# KiCad board msf-owl-clock.kicad_pcb (continued)
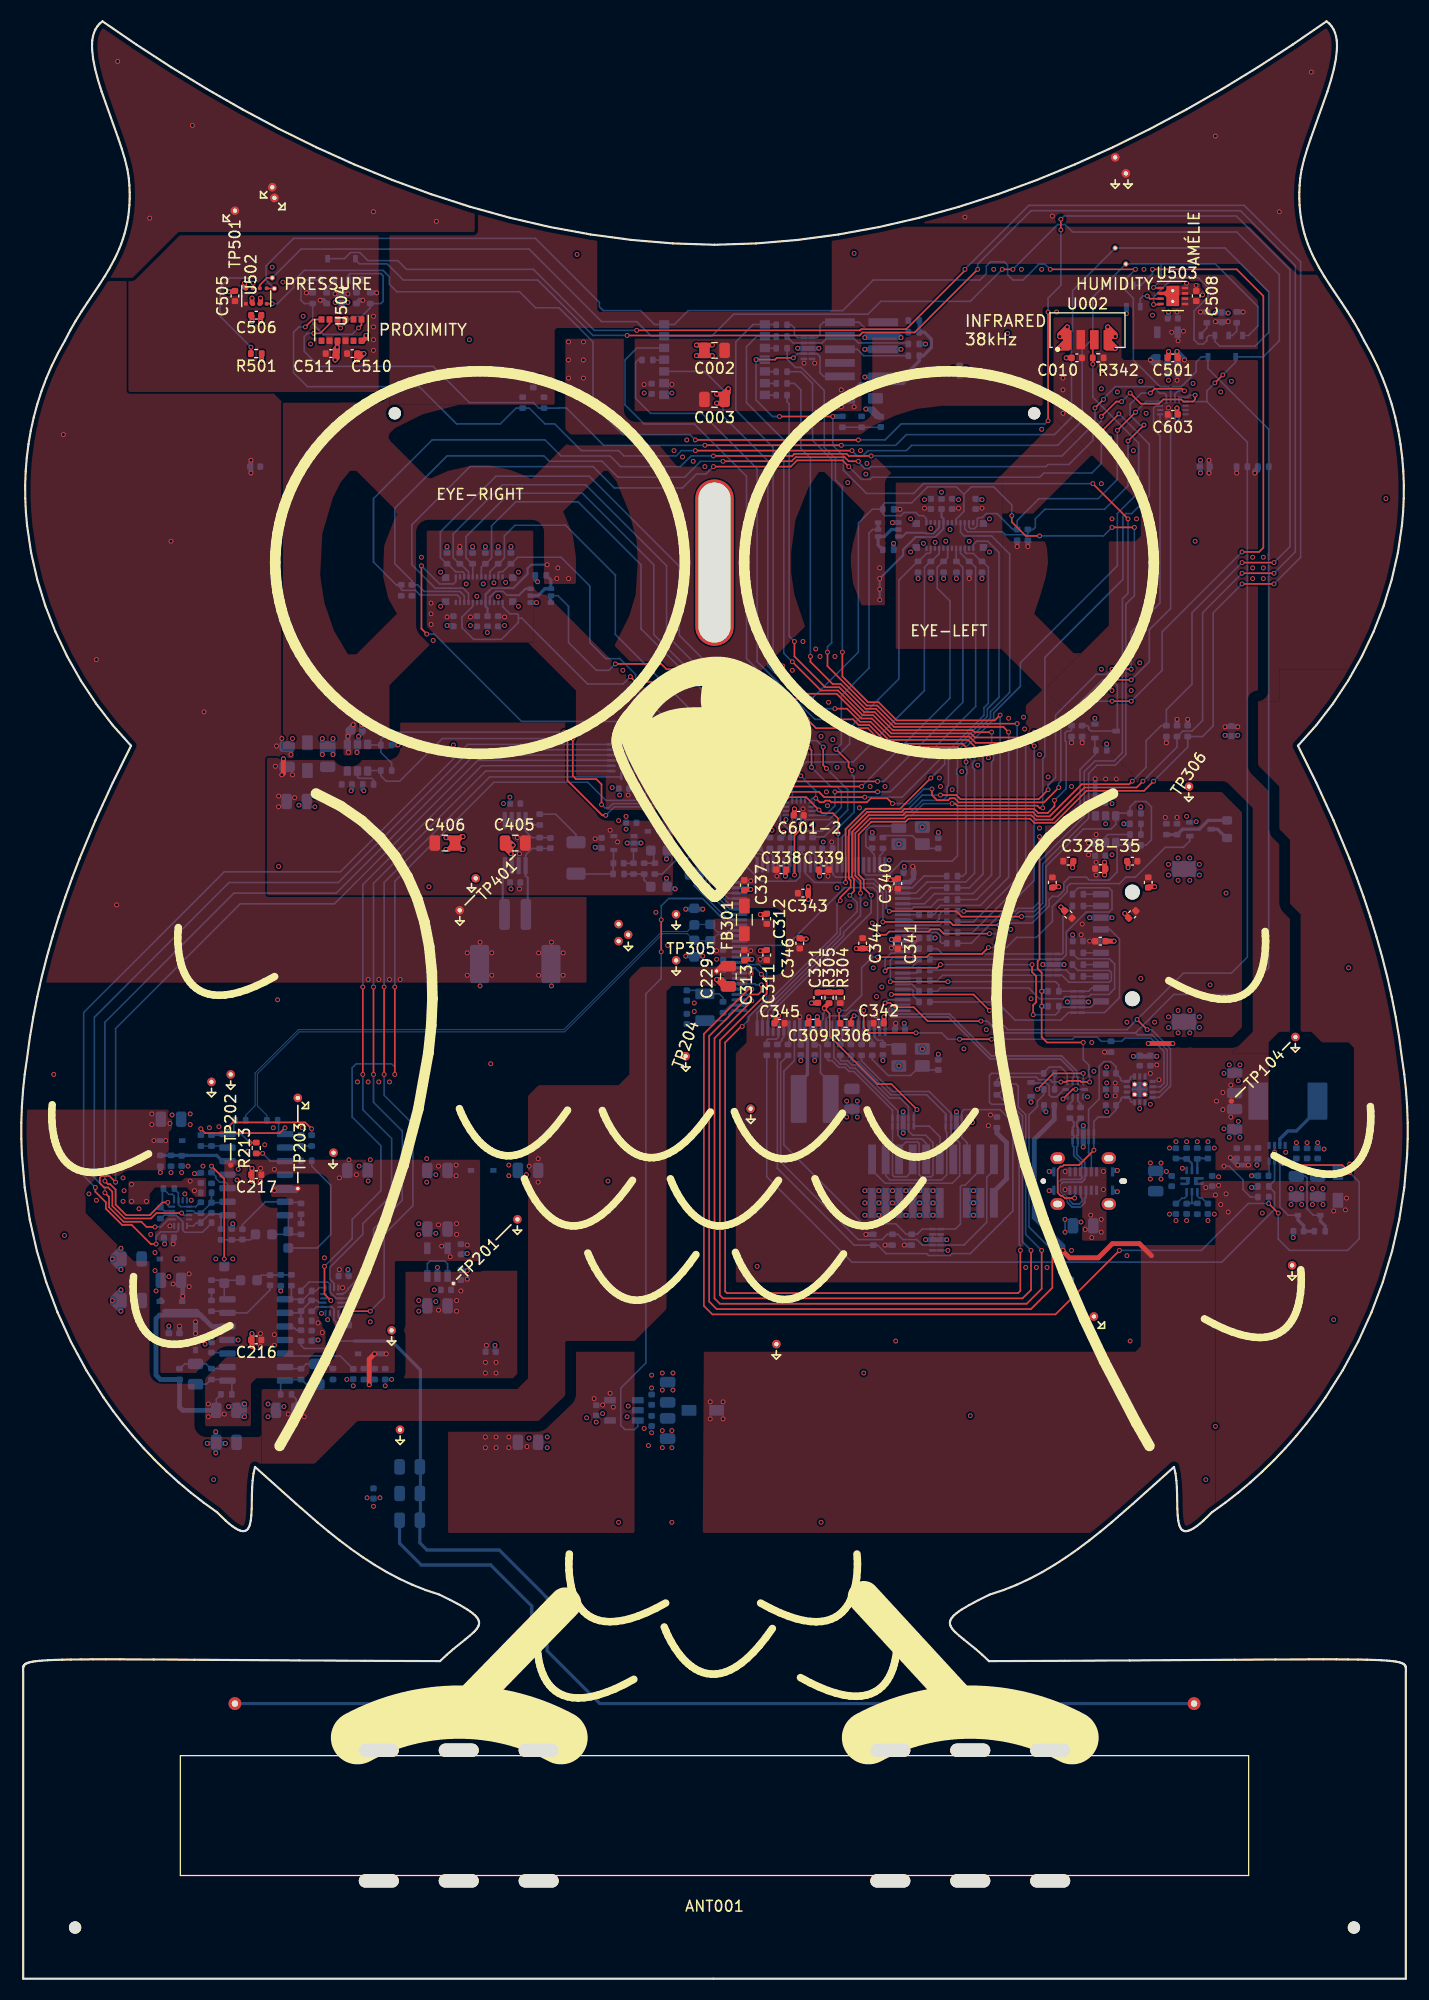
[diagram p0: board, top side]
## Library data of the parts (continued)
U203 U204 = -: Description: Quad Low Voltage Single Supply 30MHz 40V/μs Rail-To-Rail Operational Amplifier; Manufacturer: Microchip; ManufacturerPartNumber: MCP6499T-E-SL; Package: SOIC
U205 = -: Description: 8-bit Serial In, Serial/Parallel Out Shift Register with Master Clear, Storage Register and 3-State Outputs; Manufacturer: Nexperia; Package: DHVQFN16
U206 U207 = -: Description: Quad Low Capacitance 3GHz Analogue SPST (1:1) Switch with 1.8V Compatible Logic Inputs; Manufacturer: Texas Instruments; ManufacturerPartNumber: TMUX1511RSVR; Package: UQFN16
U301 = -: Description: 100-Pin 32-Bit ARM Cortex M4F Microcontroller, 120MHz with 1MiB Flash, 256KiB SRAM, FPU, USB, SPI, QSPI, SDHC / MMC / e.MMC, I^{2}C, I^{2}S, U(S)ART, CAN, 2x 12-bit 1Msps Differential ADC, 2x 12-bit 1Msps DAC, True RNG, Ethernet MAC, Comparators, CCP, PWM, RTC, PDEC, FREQM, PTC, PCC, DMA and CCL; Manufacturer: Microchip; Package: TQFP100
U302 U401 = -: Description: 3-5.5V, 125mA-2.7A Adjustable Current-Limiting Power Switch with Active-High Enable, Over-Voltage Protection, Reverse-Current Blocking (Fault Latch-Off for 'A' Parts); Manufacturer: Diodes Incorporated; ManufacturerPartNumber: AP22653AW6-7; Package: SOT26
U402 = -: Description: Low Voltage Single Supply 10MHz 20V/μs Rail-To-Rail Operational Amplifier; Manufacturer: Microchip; ManufacturerPartNumber: MCP6486UT-E-LT; Package: SOT353
U403 = -: Description: 1.1W, 2.7V-5.5V Audio Power Amplifier with Active Low Shutdown and Thermal Protection; Manufacturer: Lumissil Microsystems; ManufacturerPartNumber: IS31AP4991A-SLS2-TR; Package: MSOP8
U502 = -: Description: Low-Power Barometric Pressure Sensor, 300-1200hPa, with I^{2}C and SPI; Manufacturer: Infineon; Package: PG-VLGA-8-1
U503 = -: Description: Low-Power Humidity Sensor with I^{2}C; Manufacturer: Texas Instruments; ManufacturerPartNumber: HDC3022DEJR; Package: WSON8
U504 = -: Description: Low-Power Proximity Sensing Module with I^{2}C (Class 1 Laser); Manufacturer: ST Microelectronics; ManufacturerPartNumber: VL6180V1NR1-1; Package: LGA12
U601-U603 = -: Description: Quad Low Capacitance 2GHz Analogue SPDT (1:2 or 2:1) Switch with 1.8V Compatible Logic Inputs; Manufacturer: Texas Instruments; ManufacturerPartNumber: TMUX1574RSVR; Package: UQFN16
XTAL301 = -: Description: 4-Pin Quartz Crystal, Ceramic or MEMS Resonator across Pins 1 and 3; Ageing: ±3ppm first year, ±2ppm thereafter; Cut: AT; Label: 24MHz±10ppm @ 12pF (AT); LoadCapacitance: 12pF; Manufacturer: Raltron; Manufacturer2: WTL; Manufacturer2PartNumber: WTL3M60410VH; ManufacturerPartNumber: RH100-24.000-12-1010-EXT-TR; Package: 3225; Tolerance: ±10ppm
XTAL302 = -: Description: 4-Pin Quartz Crystal, Ceramic or MEMS Resonator across Pins 1 and 3; Ageing: ±3ppm first year, ±2ppm thereafter; Cut: AT; Label: DNP; LoadCapacitance: ??pF; Package: 3225; Tolerance: ±10ppm
XTAL303 = -: Description: 2-Pin Quartz Crystal, Ceramic or MEMS Resonator; Ageing: ±3ppm first year, ±2ppm thereafter; Cut: Tuning Fork; Label: 32.768kHz±20ppm @ 12.5pF (Tuning Fork); LoadCapacitance: 12.5pF; Manufacturer: JWT; Manufacturer2: YIC; Manufacturer2PartNumber: 32.768K12.5PI/3215E; ManufacturerPartNumber: DH2032K768C5T1521011; Package: 3215; Tolerance: ±20ppm

## Footprints (pads in the part's own frame, mm; a bottom-side part is the same pattern mirrored in y, then rotated)
07A7
  rrect 1.85x3.5 smd: 1(-2.775,0) 2(2.775,0)
3215
  rrect 1x1.8 smd: 1(-1.25,0) 2(1.25,0)
3225-1-3
  rrect 1.4x1.1 smd: 1(-1.1,-0.8) 2(1.1,-0.8) 3(1.1,0.8) 4(-1.1,0.8)
502443-0270
  rrect 1x2.9 smd: 1(-1,-2.5) 2(1,-2.5)
  rrect 1.8x3.6 smd: MP(-3.35,2.15) MP(3.35,2.15)
BC805M
  rrect 0.95x0.8 smd: 1(-4.725,0.53) 2(-4.725,-0.57) 3(-4.725,-1.67) 4(-4.725,-2.77) 5(-4.725,-3.87) 6(-4.725,-4.97) 7(-4.725,-6.07) 8(4.725,-6.07) 9(4.725,-4.97) 10(4.725,-3.87) 11(4.725,-2.77) 12(4.725,-1.67) 13(4.725,-0.57) 14(4.725,0.53)
D5V0FS4U10LP
  rect 0.25x0.625 smd: 1(-1,-0.35) 2(-0.5,-0.35) 4(0.5,-0.35) 5(1,-0.35) 6(1,0.412) 7(0.5,0.412) 9(-0.5,0.412) 10(-1,0.412)
  rect 0.45x0.7 smd: 3(0,-0.35)
  rect 0.45x0.625 smd: 8(0,0.412)
DHVQFN16-2.5x3.5mm-0.5mm-expad-2x1mm
  rrect 0.81x0.81 smd: (0,-0.5) (0,0.5)
  rrect 0.25x0.825 smd: 1(-0.25,1.688) 8(-0.25,-1.688) 9(0.25,-1.688) 16(0.25,1.688)
  rrect 0.825x0.25 smd: 2(-1.188,1.25) 3(-1.188,0.75) 4(-1.188,0.25) 5(-1.188,-0.25) 6(-1.188,-0.75) 7(-1.188,-1.25) 10(1.188,-1.25) 11(1.188,-0.75) 12(1.188,-0.25) 13(1.188,0.25) 14(1.188,0.75) 15(1.188,1.25)
  rect 1x2 smd: 17(0,0)
ferrite-rod-antenna
  round 1.2 hole 0.6: 1(45,10.5) 2(-45,10.5)
FTSH-105-?-?-DV-007-?-?
  rect 0.74x2.79 smd: 1(-2.54,-2.035) 2(-2.54,2.035) 3(-1.27,-2.035) 4(-1.27,2.035) 5(0,-2.035) 6(0,2.035) 8(1.27,2.035) 9(2.54,-2.035) 10(2.54,2.035)
FTSH-110-01-?-DV-007-?-?
  rect 0.74x2.79 smd: 1(-5.715,-2.035) 2(-5.715,2.035) 3(-4.445,-2.035) 4(-4.445,2.035) 5(-3.175,-2.035) 6(-3.175,2.035) 8(-1.905,2.035) 9(-0.635,-2.035) 10(-0.635,2.035) 11(0.635,-2.035) 12(0.635,2.035) 13(1.905,-2.035) 14(1.905,2.035) 15(3.175,-2.035) 16(3.175,2.035) 17(4.445,-2.035) 18(4.445,2.035) 19(5.715,-2.035) 20(5.715,2.035)
GSB1CA11101DSHR
  round 0.52 hole 0.52 unplated: (-3.75,0)
  oval 0.72x0.52 hole 0.72x0.52 unplated: (3.75,0)
  rrect 0.3x0.87 smd: A1(-2.75,0.865) A4(-1.25,0.865) A5(-0.75,0.865) A6(-0.25,0.865) A7(0.25,0.865) A8(0.75,0.865) A9(1.25,0.865) A12(2.75,0.865) B1(2.75,-0.865) B4(1.25,-0.865) B5(0.75,-0.865) B6(0.25,-0.865) B7(-0.25,-0.865) B8(-0.75,-0.865) B9(-1.25,-0.865) B12(-2.75,-0.865)
  oval 1.35x1.1 hole 0.85x0.6: S1(-2.4,-2.15) S1(-2.4,2.15) S1(2.4,-2.15) S1(2.4,2.15)
HPC4018NF
  rrect 1.5x4.5 smd: 1(-1.5,0) 2(1.5,0)
MSD-11-A
  round 1.4 hole 1.4 unplated: (-5,2.69) (5,2.69)
  rrect 0.6x1.5 smd: 1(2.9,5.64) 2(1.8,5.64) 3(0.7,5.64) 4(-0.4,5.64) 5(-1.5,5.64) 6(-2.6,5.64) 7(-3.7,5.64) 8(-4.8,5.64) 9(4,5.64) 10(5.25,5.64)
  rrect 1.5x2.34 smd: 11(-7.17,-2.16) 11(7.17,-2.16)
MSOP8-3x3mm-0.65mm
  rrect 1.625x0.4 smd: 1(-2.112,0.975) 2(-2.112,0.325) 3(-2.112,-0.325) 4(-2.112,-0.975) 5(2.112,-0.975) 6(2.112,-0.325) 7(2.112,0.325) 8(2.112,0.975)
net-tie-2-6mil
  round 0.152 smd: 1(-0.305,0) 2(0.305,0)
nominal-0402-1005
  rrect 0.54x0.64 smd: 1(-0.51,0) 2(0.51,0)
nominal-0603-1608
  rrect 0.8x0.95 smd: 1(-0.825,0) 2(0.825,0)
OK-14GF024-04
  rrect 0.23x0.5 smd: 1(-2.2,-1.2) 2(-1.8,-1.2) 3(-1.4,-1.2) 4(-1,-1.2) 5(-0.6,-1.2) 6(-0.2,-1.2) 7(0.2,-1.2) 8(0.6,-1.2) 9(1,-1.2) 10(1.4,-1.2) 11(1.8,-1.2) 12(2.2,-1.2) 13(2.2,1.2) 14(1.8,1.2) 15(1.4,1.2) 16(1,1.2) 17(0.6,1.2) 18(0.2,1.2) 19(-0.2,1.2) 20(-0.6,1.2) 21(-1,1.2) 22(-1.4,1.2) 23(-1.8,1.2) 24(-2.2,1.2)
  rrect 0.7x0.65 smd: S1(-3.15,-1.125) S1(-3.15,1.125) S1(3.15,-1.125) S1(3.15,1.125)
OPTICAL-LGA12-2.8x4.8mm-0.75mm
  rrect 0.6x0.55 smd: 1(-1,1.875) 2(-1,1.125) 3(-1,0.375) 4(-1,-0.375) 5(-1,-1.125) 6(-1,-1.875) 7(1,-1.875) 8(1,-1.125) 9(1,-0.375) 10(1,0.375) 11(1,1.125) 12(1,1.875)
PG-VLGA-8-1-2.0x2.5mm-0.65mm
  rrect 0.35x0.35 smd: 1(0.725,0.975) 2(0.725,0.325) 3(0.725,-0.325) 4(0.725,-0.975) 5(-0.725,-0.975) 6(-0.725,-0.325) 7(-0.725,0.325) 8(-0.725,0.975)
QFN10-1.5x2.0mm-0.5mm
  rect 0.6x0.25 smd: 1(-0.8,0.25)
  rect 0.9x0.25 smd: 1(-0.65,-0.25) 6(0.65,-0.25) 6(0.65,0.25)
  rrect 0.35x0.75 smd: 1(-0.375,0)
  rect 0.25x0.7 smd: 3(-0.5,-1) 4(0,-1) 5(0.5,-1) 8(0.5,1) 9(0,1) 10(-0.5,1)
  rect 0.35x0.75 smd: 6(0.375,0)
SOD323
  rect 0.6x0.45 smd: 1(-1.05,0) 2(1.05,0)
SOIC14-3.9x8.65mm-1.27mm
  rrect 1.55x0.6 smd: 1(-2.7,3.81) 2(-2.7,2.54) 3(-2.7,1.27) 4(-2.7,0) 5(-2.7,-1.27) 6(-2.7,-2.54) 7(-2.7,-3.81) 8(2.7,-3.81) 9(2.7,-2.54) 10(2.7,-1.27) 11(2.7,0) 12(2.7,1.27) 13(2.7,2.54) 14(2.7,3.81)
SOT26
  rrect 0.9x0.7 smd: 1(-1.25,0.95) 2(-1.25,0) 3(-1.25,-0.95) 4(1.25,-0.95) 5(1.25,0) 6(1.25,0.95)
SOT323
  rect 0.7x0.45 smd: 1(-1,0.65) 2(-1,-0.65) 3(1,0)
SOT353
  rect 0.65x0.4 smd: 1(-0.95,0.65) 2(-0.95,0) 3(-0.95,-0.65) 4(0.95,-0.65) 5(0.95,0.65)
SOT363
  rect 0.6x0.42 smd: 1(-0.95,0.65) 2(-0.95,0) 3(-0.95,-0.65) 4(0.95,-0.65) 5(0.95,0) 6(0.95,0.65)
SOT583
  rrect 0.67x0.3 smd: 1(-0.74,0.75) 2(-0.74,0.25) 3(-0.74,-0.25) 4(-0.74,-0.75) 5(0.74,-0.75) 6(0.74,-0.25) 7(0.74,0.25) 8(0.74,0.75)
talon
  oval 3.75x1.25 hole 3.75x1.25 unplated: (-7.5,6.125) (-7.5,-6.125) (0,6.125) (0,-6.125) (7.5,6.125) (7.5,-6.125)
testpoint-SP3050A-with-short-gnd
  round 0.5 smd: 1(0,0)
  round 0.8 hole 0.4: 2(8.5,0)
testpoint-SP3050A-with-short-gnd#2
  round 0.3 smd: 1(0,0)
  round 0.8 hole 0.4: 2(8.5,0)
th-testpoint-0.5mm-with-short-gnd
  round 0.5 hole 0.3: 1(0,0)
  round 0.8 hole 0.4: 2(8.5,0)
tooling-hole
  round 1.152 hole 1.152 unplated: (0,0)
TPS7A20??PDBVR
  rrect 1.1x0.6 smd: 1(-1.3,0.95) 2(-1.3,0) 3(-1.3,-0.95) 4(1.3,-0.95) 5(1.3,0.95)
TQFP100-14x14mm-0.5mm
  rrect 1.475x0.3 smd: 1(-7.662,6) 2(-7.662,5.5) 3(-7.662,5) 4(-7.662,4.5) 5(-7.662,4) 6(-7.662,3.5) 7(-7.662,3) 8(-7.662,2.5) 9(-7.662,2) 10(-7.662,1.5) 11(-7.662,1) 12(-7.662,0.5) 13(-7.662,0) 14(-7.662,-0.5) 15(-7.662,-1) 16(-7.662,-1.5) 17(-7.662,-2) 18(-7.662,-2.5) 19(-7.662,-3) 20(-7.662,-3.5) 21(-7.662,-4) 22(-7.662,-4.5) 23(-7.662,-5) 24(-7.662,-5.5) 25(-7.662,-6) 51(7.662,-6) 52(7.662,-5.5) 53(7.662,-5) 54(7.662,-4.5) 55(7.662,-4) 56(7.662,-3.5) 57(7.662,-3) 58(7.662,-2.5) 59(7.662,-2) 60(7.662,-1.5) 61(7.662,-1) 62(7.662,-0.5) 63(7.662,0) 64(7.662,0.5) 65(7.662,1) 66(7.662,1.5) 67(7.662,2) 68(7.662,2.5) 69(7.662,3) 70(7.662,3.5) 71(7.662,4) 72(7.662,4.5) 73(7.662,5) 74(7.662,5.5) 75(7.662,6)
  rrect 0.3x1.475 smd: 26(-6,-7.662) 27(-5.5,-7.662) 28(-5,-7.662) 29(-4.5,-7.662) 30(-4,-7.662) 31(-3.5,-7.662) 32(-3,-7.662) 33(-2.5,-7.662) 34(-2,-7.662) 35(-1.5,-7.662) 36(-1,-7.662) 37(-0.5,-7.662) 38(0,-7.662) 39(0.5,-7.662) 40(1,-7.662) 41(1.5,-7.662) 42(2,-7.662) 43(2.5,-7.662) 44(3,-7.662) 45(3.5,-7.662) 46(4,-7.662) 47(4.5,-7.662) 48(5,-7.662) 49(5.5,-7.662) 50(6,-7.662) 76(6,7.662) 77(5.5,7.662) 78(5,7.662) 79(4.5,7.662) 80(4,7.662) 81(3.5,7.662) 82(3,7.662) 83(2.5,7.662) 84(2,7.662) 85(1.5,7.662) 86(1,7.662) 87(0.5,7.662) 88(0,7.662) 89(-0.5,7.662) 90(-1,7.662) 91(-1.5,7.662) 92(-2,7.662) 93(-2.5,7.662) 94(-3,7.662) 95(-3.5,7.662) 96(-4,7.662) 97(-4.5,7.662) 98(-5,7.662) 99(-5.5,7.662) 100(-6,7.662)
TSOP7????TT
  rrect 0.8x1.8 smd: 1(-1.905,-0.9) 2(-0.635,-0.9) 3(0.635,-0.9) 4(1.905,-0.9)
unnamed
  oval 3.6x15.6 hole 3x15: 1(0,0)
unpolarised-nominal-0402-1005
  rrect 0.56x0.62 smd: 1(-0.48,0) 2(0.48,0)
unpolarised-nominal-0603-1608
  rrect 0.9x0.95 smd: 1(-0.775,0) 2(0.775,0)
unpolarised-nominal-0805-2012
  rrect 1x1.45 smd: 1(-0.95,0) 2(0.95,0)
unpolarised-nominal-1206-3216
  rrect 1.15x1.8 smd: 1(-1.475,0) 2(1.475,0)
UQFN10-1.5x2.0mm-0.5mm
  rrect 0.55x0.25 smd: 1(-0.675,0.75) 4(-0.675,-0.75) 6(0.675,-0.75) 9(0.675,0.75)
  rrect 0.55x0.2 smd: 2(-0.675,0.25) 3(-0.675,-0.25) 7(0.675,-0.25) 8(0.675,0.25)
  rrect 0.3x0.6 smd: 5(0,-0.9) 10(0,0.9)
UQFN16-1.8x2.6mm-0.4mm
  rrect 0.7x0.2 smd: 1(-0.75,0.6)
  rrect 0.6x0.2 smd: 2(-0.8,0.2) 3(-0.8,-0.2) 4(-0.8,-0.6) 9(0.8,-0.6) 10(0.8,-0.2) 11(0.8,0.2) 12(0.8,0.6)
  rrect 0.2x0.6 smd: 5(-0.6,-1.2) 6(-0.2,-1.2) 7(0.2,-1.2) 8(0.6,-1.2) 13(0.6,1.2) 14(0.2,1.2) 15(-0.2,1.2) 16(-0.6,1.2)
WLBD2012
  rrect 1.4x1 smd: 1(-1.3,0) 2(1.3,0)
WQFN14-2.5x2.5mm-0.5mm-expad-1.45x1.45mm-thermvias
  rrect 0.61x0.61 smd: (-0.36,-0.36) (-0.36,0.36) (0.36,-0.36) (0.36,0.36)
  rrect 0.58x0.3 smd: 1(-1.215,0.5) 2(-1.215,0) 3(-1.215,-0.5) 8(1.215,-0.5) 9(1.215,0) 10(1.215,0.5)
  rrect 0.3x0.58 smd: 4(-0.75,-1.215) 5(-0.25,-1.215) 6(0.25,-1.215) 7(0.75,-1.215) 11(0.75,1.215) 12(0.25,1.215) 13(-0.25,1.215) 14(-0.75,1.215)
  round 0.5 hole 0.3: 15(-0.475,-0.475) 15(-0.475,0.475) 15(0.475,-0.475) 15(0.475,0.475)
  rect 1.45x1.45 smd: 15(0,0)
WSON8-2.5x2.5mm-0.5mm-expad-1.2x1.9mm-thermvias
  rrect 1.13x1.71 smd: (0,0)
  rrect 0.6x0.25 smd: 1(-1.15,0.75) 2(-1.15,0.25) 3(-1.15,-0.25) 4(-1.15,-0.75) 5(1.15,-0.75) 6(1.15,-0.25) 7(1.15,0.25) 8(1.15,0.75)
  round 0.6 hole 0.3: 9(0,0.5) 9(0,-0.5)
  rrect 1.2x1.9 smd: 9(0,0)

## Nets
GND: C001.2 C002.2 C003.2 C004.2 C005.2 C006.2 C007.2 C008.2 C009.2 C010.2 C011.2 C101.2 C102.2 C103.2 C104.2 C105.2 C106.2 C107.2 C108.2 C109.2 C110.2 C111.2 C112.2 C113.2 C114.2 C115.2 C116.2 C117.2 C118.2 C119.2 C120.2 C121.2 C122.2 C123.2 C124.2 C201.2 C202.2 C203.2 C204.2 C205.2 C206.2 C207.2 C208.2 C209.2 C210.2 C211.2 C212.2 C213.2 C214.2 C215.2 C216.2 C217.2 C218.2 C220.2 C221.2 C222.2 C223.2 C224.2 C226.2 C227.2 C228.2 C229.2 C231.2 C232.2 C233.2 C234.2 C239.2 C243.2 C244.2 C301.2 C302.2 C303.2 C304.2 C305.2 C306.2 C307.2 C308.2 C309.2 C310.2 C311.2 C312.2 C313.2 C314.2 C315.2 C316.2 C317.2 C318.2 C319.2 C320.2 C321.2 C322.2 C323.1 C325.1 C326.2 C327.2 C328.2 C329.2 C330.2 C331.2 C332.2 C333.2 C334.2 C335.2 C336.2 C337.2 C338.2 C339.2 C340.2 C341.2 C342.2 C343.2 C344.2 C345.2 C346.2 C347.2 C348.2 C349.2 C350.2 C401.2 C402.2 C403.2 C404.2 C405.2 C406.2 C407.2 C409.1 C410.1 C413.2 C414.2 C416.2 C417.2 C501.2 C502.2 C503.2 C504.2 C505.2 C506.2 C507.2 C508.2 C509.2 C510.2 C511.2 C601.2 C602.2 C603.2 C604.2 C605.2 CONN001.A1 CONN001.A12 CONN001.B1 CONN001.B12 CONN001.S1 CONN002.6 CONN002.11 CONN003.3 CONN003.5 CONN003.9 CONN004.3 CONN004.5 CONN004.9 CONN004.11 CONN004.13 CONN004.15 CONN004.17 CONN004.19 CONN005.2 CONN005.7 CONN005.20 CONN005.22 CONN005.24 CONN005.S1 CONN006.2 CONN006.7 CONN006.20 CONN006.22 CONN006.24 CONN006.S1 D001.3 D001.8 D002.3 D002.8 D003.3 D003.8 D004.1 D004.3 D004.4 D004.7 D004.8 D004.10 D005.1 D005.3 D005.8 D005.10 D006.3 D006.8 D007.3 D007.8 D203.2 NT001.1 NT001.2 Q101.2 Q301.2 Q503.2 Q601.2 Q602.1 Q603.1 R006.2 R102.2 R103.2 R111.2 R113.2 R202.2 R208.2 R221.2 R222.2 R223.2 R224.2 R232.2 R242.2 R310.2 R343.2 R346.2 R401.2 R403.2 R602.2 R603.2 R604.2 R605.2 R606.2 R607.2 R608.2 R609.2 R612.2 R613.2 R619.2 R620.2 SPK001.MP TFT-RIBBON-HOLE.1 TP101.2 TP102.2 TP103.2 TP104.2 TP201.2 TP202.2 TP203.2 TP204.2 TP205.2 TP206.2 TP207.2 TP208.2 TP209.2 TP210.2 TP301.2 TP302.2 TP303.2 TP304.2 TP305.2 TP306.2 TP401.2 TP402.2 TP403.2 TP501.2 TP502.2 TP503.2 U001.8 U002.1 U002.4 U101.3 U102.6 U103.8 U103.9 U103.15 U104.8 U201.2 U201.4 U202.2 U203.11 U204.11 U205.8 U205.13 U205.17 U206.7 U206.8 U207.7 U207.8 U301.11 U301.24 U301.31 U301.38 U301.50 U301.62 U301.76 U301.90 U302.2 U401.2 U402.2 U403.7 U501.2 U502.1 U502.7 U503.2 U503.7 U503.8 U503.9 U504.9 U504.12 U601.6 U602.3 U602.4 U602.5 U602.6 U602.10 U602.11 U602.12 U603.6 U603.7 U603.8 U603.9 U603.10 U603.11 U603.12 XTAL301.2 XTAL301.4 XTAL302.2 XTAL302.4
/1-usb-and-power/CC1: C114.1 CONN001.A5 D002.5 D002.6 U103.10 U103.11
/1-usb-and-power/CC2: C115.1 CONN001.B5 D002.4 D002.7 U103.1 U103.14
/1-usb-and-power/CORE_VDD_MODE: R111.1 R311.1 U104.3
/1-usb-and-power/CORE_VDD_{+5V}: C109.1 C110.1 C401.1 C604.1 C605.1 CONN005.5 CONN006.5 FB101.1 FB201.1 TP102.1 U101.6 U102.5 U102.9 U401.1
/1-usb-and-power/D+: CONN001.A6 CONN001.B6 D002.2 D002.9 R107.1
/1-usb-and-power/D-: CONN001.A7 CONN001.B7 D002.1 D002.10 R108.1
/1-usb-and-power/MCU.D+: U102.3 U301.75
/1-usb-and-power/MCU.D-: U102.2 U301.74
/1-usb-and-power/SCL: Q501.3 R319.2 TP302.1 U001.14 U103.6 U301.73 U502.4 U603.2
/1-usb-and-power/SDA: Q502.3 R318.2 TP303.1 U001.13 U103.7 U301.72 U502.3 U603.5
/1-usb-and-power/USBC_VBUS: C101.1 C102.1 C103.1 C111.1 CONN001.A4 CONN001.A9 CONN001.B4 CONN001.B9 R101.1 TP101.1 U101.1 U103.2
/1-usb-and-power/~{CHARGER_DETECTED}: Q101.3 R106.2 U301.9
/1-usb-and-power/~{CHARGING_ALLOWED}: R105.2 U102.4 U301.6
/1-usb-and-power/~{CORE_VDD_FAULT}: R114.2 U104.6 U301.5
/1-usb-and-power/~{HAS_DATA}: R104.2 U102.1 U301.10
/1-usb-and-power/~{USB_PD_INT}: R109.2 U103.5 U301.87
/1-usb-and-power/~{USB_SUSPEND}: Q601.1 R104.1 R105.1 R106.1 R310.1 R326.1 R327.1 U301.4
/2-msf-receiver/2-msf-receiver-trf/MSF_RCV_TRF: C230.2 C241.2 R243.1 TP209.1 U204.7
/2-msf-receiver/2-msf-receiver-trf/MSF_RCV_TRF1: C236.2 C238.2 R233.1 U203.14
/2-msf-receiver/2-msf-receiver-trf/PGA1.FB0: C235.1 R226.1 R227.1 U203.2 U206.10
/2-msf-receiver/2-msf-receiver-trf/PGA1.FB1: R227.2 R228.1 U206.6 U206.9
/2-msf-receiver/2-msf-receiver-trf/PGA1.FB2: R228.2 R229.1 U206.3 U206.5
/2-msf-receiver/2-msf-receiver-trf/PGA1.FB3: R229.2 R230.1 U206.2 U206.14
/2-msf-receiver/2-msf-receiver-trf/PGA1.FB4: C235.2 R230.2 R231.1 U203.1 U206.13
/2-msf-receiver/2-msf-receiver-trf/PGA1.SW_EN0: U205.15 U206.11
/2-msf-receiver/2-msf-receiver-trf/PGA1.SW_EN1: U205.1 U206.4
/2-msf-receiver/2-msf-receiver-trf/PGA1.SW_EN2: U205.2 U206.1
/2-msf-receiver/2-msf-receiver-trf/PGA1.SW_EN3: U205.3 U206.15
/2-msf-receiver/2-msf-receiver-trf/PGA2.FB0: C240.1 R236.1 R237.1 U204.9 U207.10
/2-msf-receiver/2-msf-receiver-trf/PGA2.FB1: R237.2 R238.1 U207.6 U207.9
/2-msf-receiver/2-msf-receiver-trf/PGA2.FB2: R238.2 R239.1 U207.3 U207.5
/2-msf-receiver/2-msf-receiver-trf/PGA2.FB3: R239.2 R240.1 U207.2 U207.14
/2-msf-receiver/2-msf-receiver-trf/PGA2.FB4: C240.2 R240.2 R241.1 U204.8 U207.13
/2-msf-receiver/2-msf-receiver-trf/PGA2.SW_EN0: U205.4 U207.11
/2-msf-receiver/2-msf-receiver-trf/PGA2.SW_EN1: U205.5 U207.4
/2-msf-receiver/2-msf-receiver-trf/PGA2.SW_EN2: U205.6 U207.1
/2-msf-receiver/2-msf-receiver-trf/PGA2.SW_EN3: U205.7 U207.15
/2-msf-receiver/DS: R224.1 U205.14 U301.21
/2-msf-receiver/MSF_ANT_{+}: ANT001.1 C012.1 C013.1 C014.1 R225.1
/2-msf-receiver/MSF_OUT+: C323.2 C324.2 R214.2 TP205.1 U301.15
/2-msf-receiver/MSF_OUT-: C324.1 C325.2 R219.2 TP206.1 U301.16
/2-msf-receiver/MSF_RCV_EN: U201.3 U301.17
/2-msf-receiver/MSF_RCV_VREF_{+1.8V}: ANT001.2 C012.2 C013.2 C014.2 C220.1 C221.1 C222.1 C223.1 C233.1 C234.1 C239.1 D202.2 D203.1 R204.2 R205.2 R226.2 R235.2 R236.2 TP203.1 TP210.1 U203.12 U204.5
/2-msf-receiver/MSF_RCV_VREF_{+2.5V}: C226.1 C227.1 C228.1 C229.1 C322.1 D205.2 D206.1 R210.2 R211.2 R220.1 TP204.1 U301.8
/2-msf-receiver/MSF_VDD_{+3.6V}: C211.1 C212.1 C213.1 C214.1 C215.1 C216.1 C217.1 C243.1 C244.1 D201.1 D202.1 D204.1 D205.1 R201.1 R206.1 R207.1 TP202.1 U202.5 U203.4 U204.4 U206.16 U207.16
/2-msf-receiver/SHCP: R223.1 U205.11 U301.23
/2-msf-receiver/STCP: R222.1 U205.12 U301.22
/3-mcu-core/AMP_EN: R401.1 R402.1 U301.19 U401.3
/3-mcu-core/AMP_IN: C408.1 TP402.1 U301.18
/3-mcu-core/BC805M.MISO: R007.1 R332.2
/3-mcu-core/BC805M.MOSI: R008.1 R330.2
/3-mcu-core/BC805M.RXD: R011.2 U301.53
/3-mcu-core/BC805M.SCK: R009.1 R331.2
/3-mcu-core/BC805M.SWDCLK: R005.2 R329.2 U001.2
/3-mcu-core/BC805M.SWDIO: R004.2 R328.2 U001.1
/3-mcu-core/BC805M.TXD: R334.2 U001.12
/3-mcu-core/BC805M.~{CTS}: R010.1 U301.55
/3-mcu-core/BC805M.~{RESET}: R014.2 U301.58
/3-mcu-core/BC805M.~{RTS}: R333.2 U001.10
/3-mcu-core/CLK: CONN002.5 D007.5 D007.6 R320.2
/3-mcu-core/CMD: D007.2 D007.9 R020.2 R321.2
/3-mcu-core/DAT0: D006.1 D006.10 R019.2 R325.2
/3-mcu-core/DAT1: D006.2 D006.9 R018.2 R324.2
/3-mcu-core/DAT2: D006.4 D006.7 R022.2 R323.2
/3-mcu-core/DAT3: D006.5 D006.6 R021.2 R322.2
/3-mcu-core/DATA0: R335.1 U601.7
/3-mcu-core/DATA1: R336.1 U601.5
/3-mcu-core/DATA2: R337.1 U601.10
/3-mcu-core/DATA3: R338.1 U601.2
/3-mcu-core/IR_RCV_DATA: R342.2 U002.3 U301.46
/3-mcu-core/MCU.SWDCLK: CONN004.4 D004.5 D004.6 R303.1 U301.93
/3-mcu-core/MCU.SWDIO: CONN004.2 D004.2 D004.9 R302.1 R313.2
/3-mcu-core/MCU.SWO: CONN004.6 D005.2 D005.9 R301.1 R312.2
/3-mcu-core/MCU.TRACECLK: CONN004.12 D003.4 D003.7 U301.85
/3-mcu-core/MCU.TRACEDATA0: CONN004.14 D003.5 D003.6 R314.2
/3-mcu-core/MCU.TRACEDATA1: CONN004.16 D003.2 D003.9 R315.2
/3-mcu-core/MCU.TRACEDATA2: CONN004.18 D005.5 D005.6 R316.2
/3-mcu-core/MCU.TRACEDATA3: CONN004.20 D005.4 D005.7 R317.2
/3-mcu-core/MCU.~{RESET}: CONN004.10 D003.1 D003.10 R305.2 U301.88
/3-mcu-core/MCU_AV_{DD}: C311.1 C312.1 C313.1 C314.1 FB301.2 TP305.1 U301.12
/3-mcu-core/MCU_V_{DDCORE}: C308.1 C309.1 C310.1 L301.2 TP304.1 U301.89
/3-mcu-core/MCU_V_{SW}: L301.1 U301.91
/3-mcu-core/MCU_XOSC0_IN: C315.1 U301.48 XTAL301.1
/3-mcu-core/MCU_XOSC0_OUT: R307.1 U301.49
/3-mcu-core/MCU_XOSC1_IN: C317.1 U301.78 XTAL302.1
/3-mcu-core/MCU_XOSC1_OUT: R308.1 U301.79
/3-mcu-core/MCU_XOSC32K_IN: C319.1 U301.1 XTAL303.1
/3-mcu-core/MCU_XOSC32K_OUT: R309.1 U301.2
/3-mcu-core/PRX_GPIO0: Q504.3 R508.2 U301.98
/3-mcu-core/PRX_GPIO1: Q505.3 R509.2 U301.97
/3-mcu-core/SCK: R339.1 U602.7
/3-mcu-core/SDCARD_EN: R343.1 R344.1 U301.45 U302.3
/3-mcu-core/SDCARD_V_{DD}: C327.1 C328.1 C329.1 C330.1 C331.1 C332.1 C333.1 C334.1 C335.1 C336.1 CONN002.4 R016.2 R017.2 TP306.1 U302.6
/3-mcu-core/TFT_BACKLED0: Q602.5 Q602.6 R341.1
/3-mcu-core/TFT_BACKLED1: Q603.5 Q603.6 R340.1
/3-mcu-core/TFT_I^{2}C_SEL: U301.42 U603.15
/3-mcu-core/TFT_QSPI_SEL: U301.41 U601.15 U602.15
/3-mcu-core/TFT_TEAR0: NT603.2 U301.35
/3-mcu-core/TFT_TEAR1: NT604.2 U301.34
/3-mcu-core/TFT_TP_INT0: NT601.2 U301.43
/3-mcu-core/TFT_TP_INT1: NT602.2 U301.44
/3-mcu-core/~{AMP_FAULT}: R402.2 U301.20 U401.4
/3-mcu-core/~{BAR_INT}: R502.2 U301.99 U502.5
/3-mcu-core/~{CD}: CONN002.10 D007.4 D007.7 R327.2 U301.64
/3-mcu-core/~{HMD_ALERT}: Q503.3 R507.2 U301.100
/3-mcu-core/~{SDCARD_BUSYLED}: LED001.1 Q301.3
/3-mcu-core/~{SDCARD_FAULT}: R344.2 U301.13 U302.4
/3-mcu-core/~{SS}: U301.33 U602.2
/3-mcu-core/~{TFT_RESET}: NT605.1 NT606.1 NT607.1 NT608.1 R614.2 U301.40
/3-mcu-core/~{WP}: CONN002.9 D007.1 D007.10 R326.2 U301.65
/4-audio-out/AUDIO_SPK+: SPK001.1 U403.8
/4-audio-out/AUDIO_SPK-: C415.2 R409.2 SPK001.2 U403.5
/4-audio-out/AUDIO_VDD_{+5V}: C404.1 C405.1 C406.1 C407.1 C416.1 C417.1 D401.1 FB401.2 TP401.1 U402.5 U403.1 U403.6
/5-sensors/I^{2}C_SCL_{+2.8V}: Q501.2 R505.2 TP502.1 U503.4 U504.5
/5-sensors/I^{2}C_SDA_{+2.8V}: Q502.2 R506.2 TP503.1 U503.1 U504.6
/5-sensors/SENSOR_VDD_{+2.8V}: C503.1 C504.1 C505.1 C507.1 C508.1 C509.1 C510.1 C511.1 R503.1 R504.1 R505.1 R506.1 R510.1 R511.1 R512.1 R513.1 TP501.1 U501.5 U502.8 U503.5 U503.6 U504.8 U504.10
/6-tft-driver/TFT0.L_{IO1}: CONN005.15 R607.1 U601.3
/6-tft-driver/TFT0.L_{IO2}: CONN005.17 R603.1 U601.12
/6-tft-driver/TFT0.L_{IO3}: CONN005.19 R609.1 U601.16
/6-tft-driver/TFT0.L_{SCLK}: CONN005.21 R613.1 U602.9
/6-tft-driver/TFT0.L_{SDIN}: CONN005.23 R605.1 U601.9
/6-tft-driver/TFT0.L_{TE}: CONN005.13 NT603.1
/6-tft-driver/TFT0.LED_{K}: CONN005.4 Q602.3
/6-tft-driver/TFT0.TP_{INT}: CONN005.9 NT601.1
/6-tft-driver/TFT0.TP_{SCL}: CONN005.11 R618.2 U603.16
/6-tft-driver/TFT0.TP_{SDA}: CONN005.10 R616.2 U603.3
/6-tft-driver/TFT0.~{L_{CS}}: CONN005.16 R611.2 U602.16
/6-tft-driver/TFT0.~{L_{RES}}: CONN005.1 NT607.2
/6-tft-driver/TFT0.~{TP_{RST}}: CONN005.8 NT605.2
/6-tft-driver/TFT1.L_{IO1}: CONN006.15 R606.1 U601.4
/6-tft-driver/TFT1.L_{IO2}: CONN006.17 R602.1 U601.11
/6-tft-driver/TFT1.L_{IO3}: CONN006.19 R608.1 U601.1
/6-tft-driver/TFT1.L_{SCLK}: CONN006.21 R612.1 U602.8
/6-tft-driver/TFT1.L_{SDIN}: CONN006.23 R604.1 U601.8
/6-tft-driver/TFT1.L_{TE}: CONN006.13 NT604.1
/6-tft-driver/TFT1.LED_{K}: CONN006.4 Q603.3
/6-tft-driver/TFT1.TP_{INT}: CONN006.9 NT602.1
/6-tft-driver/TFT1.TP_{SCL}: CONN006.11 R617.2 U603.1
/6-tft-driver/TFT1.TP_{SDA}: CONN006.10 R615.2 U603.4
/6-tft-driver/TFT1.~{L_{CS}}: CONN006.16 R610.2 U602.1
/6-tft-driver/TFT1.~{L_{RES}}: CONN006.1 NT608.2
/6-tft-driver/TFT1.~{TP_{RST}}: CONN006.8 NT606.2
/BC805M_V_{DD}: C001.1 C002.1 C003.1 D001.5 D001.6 FB001.1 R001.2 R002.1 R003.1 R012.1 U001.9
/CORE_VDD_{+3.3V}: C004.1 C005.1 C006.1 C007.1 C008.1 C009.1 C010.1 C112.1 C113.1 C123.1 C124.1 C127.1 C231.1 C301.1 C302.1 C303.1 C304.1 C305.1 C306.1 C307.1 C326.1 C337.1 C338.1 C339.1 C340.1 C341.1 C342.1 C343.1 C344.1 C345.1 C346.1 C347.1 C348.1 C349.1 C350.1 C501.1 C502.1 C506.1 C601.1 C602.1 C603.1 CONN005.3 CONN005.6 CONN005.12 CONN006.3 CONN006.6 CONN006.12 FB001.2 FB301.1 L101.2 R015.2 R109.1 R112.1 R114.1 R301.2 R302.2 R303.2 R304.1 R318.1 R319.1 R342.1 R501.1 R502.1 R507.1 R508.1 R509.1 R601.1 R610.1 R611.1 R614.1 R615.1 R616.1 R617.1 R618.1 TP104.1 U002.2 U103.3 U103.4 U103.12 U103.13 U205.10 U205.16 U301.25 U301.30 U301.39 U301.51 U301.63 U301.77 U301.92 U302.1 U501.1 U501.3 U502.6 U601.14 U602.14 U603.14
/~{BC805M_RESET}: CONN003.10 D001.4 D001.7 R013.1 R014.1 U001.4
Net-(C011-Pad1): C011.1 R012.2 R013.2
Net-(C219-Pad2): C219.2 R203.2 R205.1 U203.8
Net-(C225-Pad2): C225.2 R209.2 R211.1 U203.7
Net-(C230-Pad1): C230.1 R212.1
Net-(C236-Pad1): C236.1 C237.1 R231.2 R232.1
Net-(C241-Pad1): C241.1 C242.1 R241.2 R242.1
Net-(C316-Pad1): C316.1 R307.2 XTAL301.3
Net-(C318-Pad1): C318.1 R308.2 XTAL302.3
Net-(C320-Pad1): C320.1 R309.2 XTAL303.2
Net-(C321-Pad1): C321.1 R304.2 R305.1
Net-(C408-Pad2): C408.2 R404.1
Net-(C409-Pad2): C409.2 R404.2 R405.1
Net-(C410-Pad2): C410.2 R405.2 R406.1 R407.1
Net-(C411-Pad2): C411.2 C412.1 R407.2 U402.4
Net-(C412-Pad2): C412.2 R408.1 TP403.1
Net-(CONN002-CMD): CONN002.3 R020.1
Net-(CONN002-DAT0): CONN002.7 R019.1
Net-(CONN002-DAT1): CONN002.8 R018.1
Net-(CONN002-DAT2): CONN002.1 R022.1
Net-(CONN002-DAT3/CD): CONN002.2 R021.1
Net-(CONN003-SWDCLK): CONN003.4 D001.2 D001.9 R005.1 R006.1
Net-(CONN003-SWDIO): CONN003.2 D001.1 D001.10 R003.2 R004.1
Net-(CONN003-SWO): CONN003.6 R002.2
Net-(CONN003-V_{CC}): CONN003.1 R001.1
Net-(CONN004-V_{CC}): CONN004.1 R015.1
Net-(D101-A): C121.1 D101.2 R110.2 U104.2
Net-(D101-K): C116.1 C117.1 C118.1 C119.1 C120.1 D101.1 FB101.2 R110.1 TP103.1 U104.1
Net-(D201-A): C218.1 D201.2 R201.2 R202.1 U203.10
Net-(D204-A): C224.1 D204.2 R206.2 R207.2 R208.1 U203.5
Net-(D206-A): C232.1 D206.2 R220.2 R221.1 U204.12
Net-(D401-A): C413.1 C414.1 D401.2 U402.1 U403.2 U403.3
Net-(FB201-P2): C201.1 C202.1 C203.1 C204.1 FB201.2 U201.1
Net-(FB401-P1): C402.1 C403.1 FB401.1 U401.6